# Allegro board WDMB-0007B-V02.brd (continued)
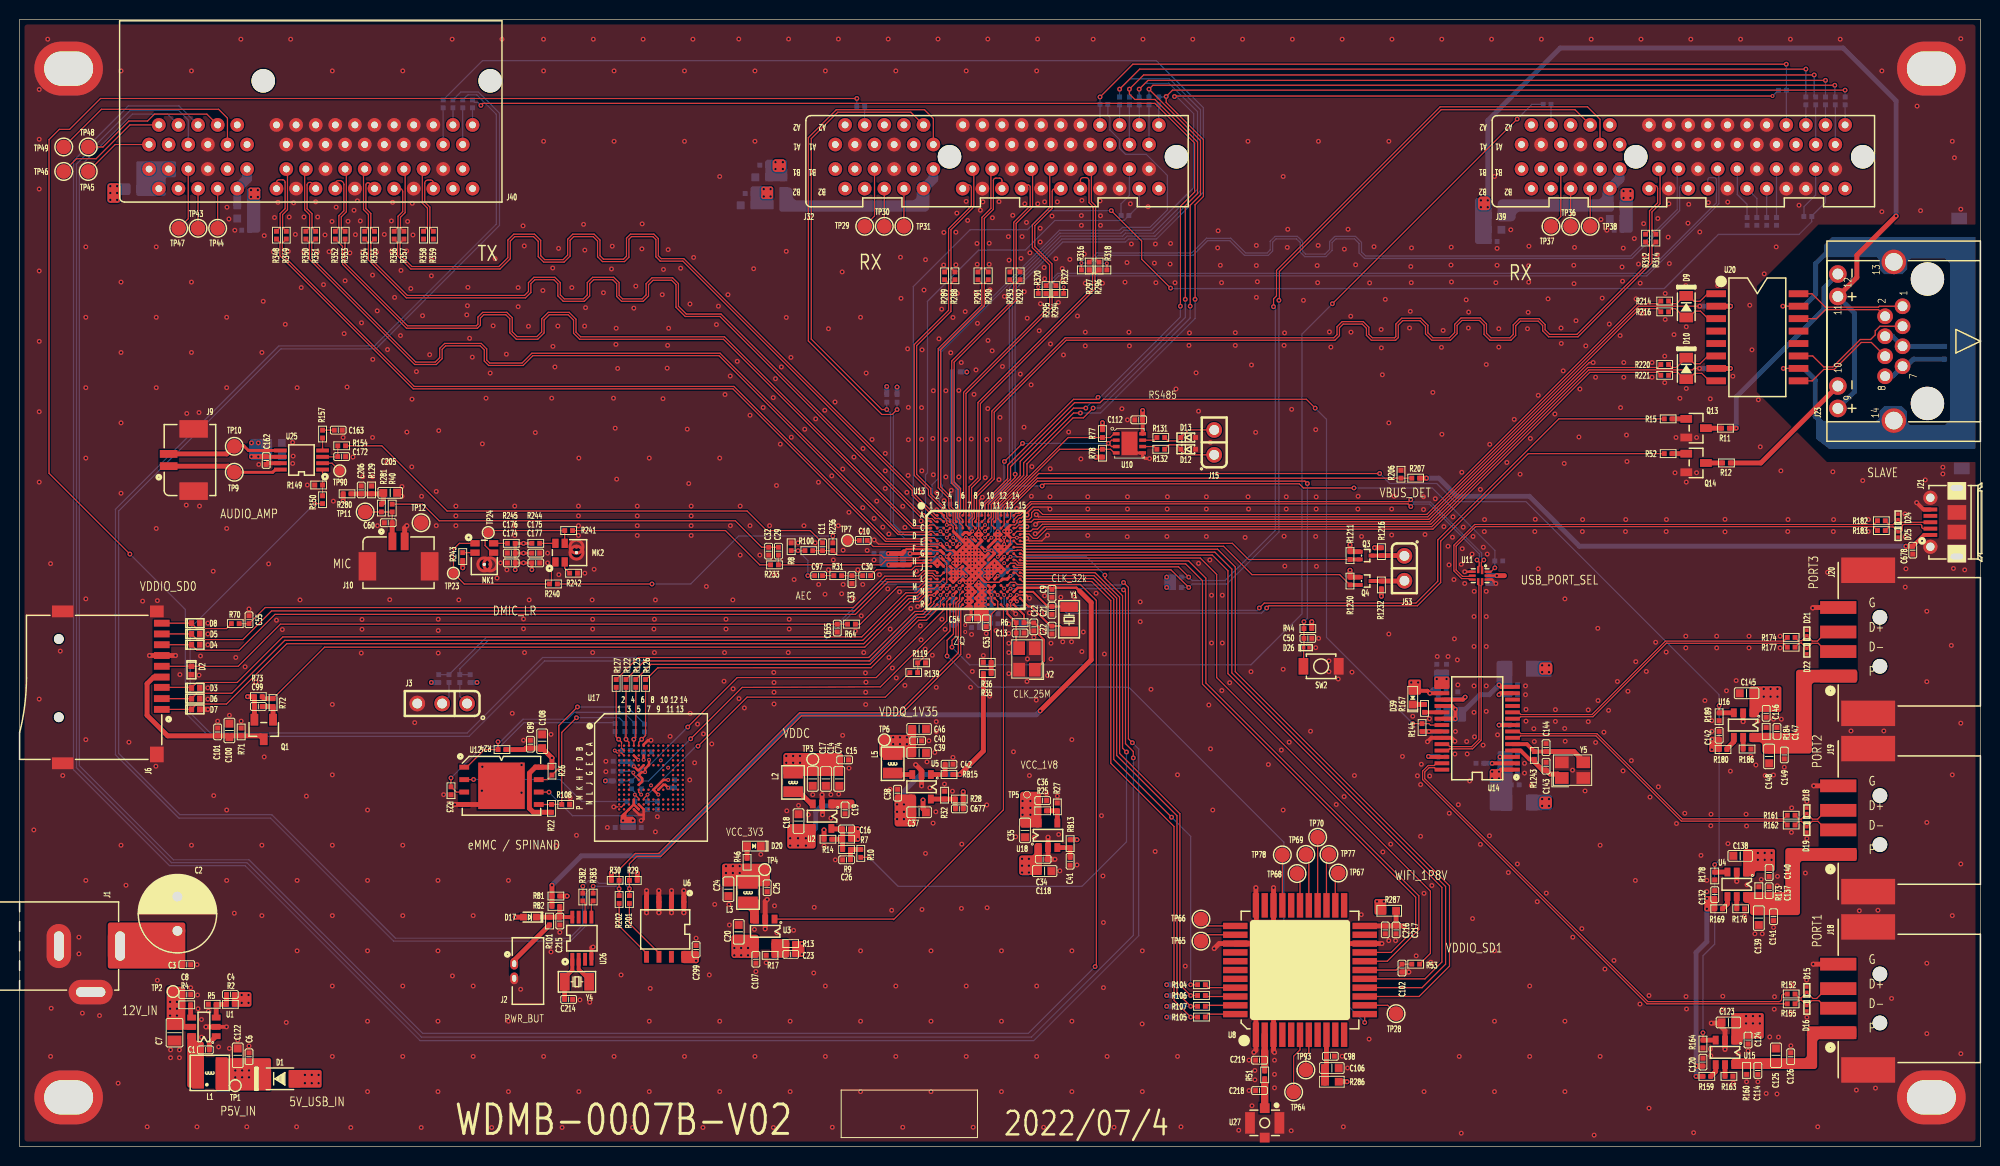
[diagram p0: board, top side]
## Routing (per net, layer and track width the routed paths; a pad name or vN(x,y) marks a point on that pad's centre or on a via; arc(x,y) is an arc through that point) (continued)
EPHY_RXP: length 73.2
  TOP w0.125: U13.D14 101.72,62.77 103.12,62.77 103.35,63 103.83,63 104.33,63.5 143.94,63.5 159.94,79.5 167.1,79.5 R220.2
EPHY_TXN: length 75.4
  TOP w0.125: U13.C14 101.61,63.1 101.94,63.43 102.26,63.43 102.55,63.73 103.17,63.73 103.45,64 143.74,64 165.24,85.5 167.07,85.5 R216.2
EPHY_TXP: length 75.3
  TOP w0.125: R214.2 167.12,86 165.03,86 143.53,64.5 104.35,64.5 103.9,64.95 103.5,64.95 103.22,64.67 103.22,64.22 102.97,63.98 102.42,63.98 102.2,63.75 U13.B15
GRN_C: length 14.2
  TOP w0.5: R12.1 177.6,69.75 J23.10
HUB_P0_D+: length 20.7
  TOP w0.125: 149.18,57.65 149.18,57.34 149.07,57.24 149.07,41.45 148.2,40.58 145.85,40.58 145.68,40.4 U14.25
HUB_P0_D-: length 20.3
  TOP w0.125: U11.6 148.78,57.34 148.85,57.26 148.85,41.54 148.11,40.8 145.88,40.8 145.62,41.05 U14.24
HUB_P1_D+: length 49.7
  TOP w0.125: U14.28 144.51,38.45 144.31,38.65 143.77,38.65 143.32,38.21 143.32,37.53 166.08,14.78 179.45,14.78 arc(179.64,14.86) 179.72,15.05 179.72,15.32 arc(179.79,15.48) 179.95,15.55 R152.2
HUB_P1_D-: length 49.8
  TOP w0.125: U14.27 144.51,39.1 144.29,38.88 143.68,38.88 143.1,38.3 143.1,37.44 165.99,14.55 R155.2
HUB_P2_D+: length 31.9
  TOP w0.125: U14.7 152.9,42.35 153.12,42.12 160.88,42.12 169.59,33.42 179.93,33.42 R161.2
HUB_P2_D-: length 31.9
  TOP w0.125: R162.2 179.9,33.2 169.5,33.2 160.79,41.9 153.1,41.9 152.9,41.7 U14.6
HUB_P3_D+: length 31.4
  TOP w0.125: R174.2 179.93,51.58 167.88,51.58 160.39,44.08 153.12,44.08 152.9,44.3 U14.10
HUB_P3_D-: length 31.4
  TOP w0.125: U14.9 152.9,43.65 153.1,43.85 160.48,43.85 160.62,43.99 167.97,51.35 179.9,51.35 R177.2
HUB_RESET: length 80.5
  TOP w0.125: v2(132.15,75.35) 131.25,76.25 110.55,76.25 110.2,75.9 107.6,75.9 101.08,69.38 101.08,68.12 98.47,65.53 98.47,64.08 U13.B9 ; v2(142.1,43.15) R144.1 143.75,43.15 143.9,43 U14.21
  BOTTOM w0.125: v2(142.1,43.15) 133.3,51.95 133.3,74.2 v2(132.15,75.35)
HUB_X1: length 6.3
  TOP w0.4: R1243.1 154,39.5 153.1,40.4 U14.4
  TOP w0.5: R1243.1 154.5,39.25 155.35,38.4 C143.2 156.1,38 156.9,38 Y5.1
HUB_X2: length 8.1
  TOP w0.4: C144.1 R1243.2 153.75,41.05 U14.5
  TOP w0.5: C144.1 158.55,40.3 159.5,39.35 Y5.3
I2C2_SCL_RTC: length 1.7
  TOP w0.125: R382.2 57.67,24.82 U26.6
I2C2_SDA_RTC: length 1.7
  TOP w0.125: R383.2 58.33,24.88 U26.5
IIC0_SCL: length 209.8
  TOP w0.125: U13.R6 96,55.1 96,50.2 89.75,43.95 79.75,43.95 65.4,29.6 62.95,29.6 62.2,28.85 R29.2 v2(62.2,26.3) R201.1 ; v2(57.45,26.55) R382.1
  BOTTOM w0.125: R361.2 45,107.6 46.8,107.6 48.95,105.45 48.95,94 36.35,81.4 26.65,81.4 10.1,64.85 10.1,40.1 16.35,33.85 25.73,33.85 38.33,21.25 56.1,21.25 57.45,22.6 v2(57.45,26.55) 58,27.1 58.85,27.1 59.1,26.85 61.65,26.85 v2(62.2,26.3)
IIC0_SDA: length 208.1
  TOP w0.125: v2(58.5,26.55) R383.1 ; R202.1 v2(61.15,26.3) R30.2 61.15,28.25 62.8,29.9 65.2,29.9 79.55,44.25 89.62,44.25 95.75,50.38 95.75,55.35 96.1,55.7 96.1,55.85 U13.P6
  BOTTOM w0.125: R362.2 45.73,107.33 46.63,107.33 48.62,105.33 48.62,94.12 36.2,81.7 26.45,81.7 9.78,65.03 9.78,39.98 16.25,33.5 25.6,33.5 38.15,20.95 56.2,20.95 57.75,22.5 57.75,25.8 v2(58.5,26.55) 60.85,26.55 v2(61.15,26.3)
IIS1_BCLK: length 21.6
  TOP w0.125: R241.2 72,62.85 75.5,59.35 R233.1
IIS1_BCLK_DMIC: length 11.8
  TOP w0.125: MK2.4 R241.1 48,62.85 TP24.1 47.48,62.33 47.48,61.33 48.2,60.6 MK1.4
IIS1_DI: length 30.8
  TOP w0.125: v2(64.5,57.4) R240.2 ; R236.1 v2(82.95,62.3)
  BOTTOM w0.125: v2(82.95,62.3) 73.35,62.3 68.45,57.4 v2(64.5,57.4)
IIS1_SDI_DMIC: length 17.7
  TOP w0.125: MK1.1 44.85,61.55 44.25,60.95 TP23.1 45.35,57.4 R240.1 54.25,57.6 54.25,59.1 54.65,59.5 MK2.1
IR_I2C2_SCL: length 100.8
  TOP w0.125: v2(127.9,85.7) 127.9,86.5 128.2,86.8 128.2,89.4 144.9,106.1 159.93,106.1 161.2,104.83 J39.A9 ; v2(119.25,58.1) 119.25,58.11 118.21,59.15 102.65,59.15 102.49,59.31 101.76,59.31 101.55,59.52 101.08,59.52 U13.J13
  BOTTOM w0.125: v2(127.9,85.7) 128.07,85.53 128.07,62.88 122.95,57.75 119.6,57.75 v2(119.25,58.1) R34.2
IR_I2C2_SDA: length 96.9
  TOP w0.125: v2(119.25,57.05) 117.43,58.85 102.6,58.85 102.36,59.09 101.51,59.09 U13.J14 ; J39.A8 158.65,105.8 145,105.8 128.5,89.3 128.5,86.35 v2(128.45,86.35)
  BOTTOM w0.125: v2(128.45,86.35) 128.45,62.7 123.15,57.4 119.6,57.4 v2(119.25,57.05) R18.2
IR_MCLK1: length 133.6
  TOP w0.125: v2(117.4,87.6) 114.45,90.55 114.45,92.4 v2(111.35,95.5) ; v1(93.92,62.77) U13.D3
  BOTTOM w0.125: v2(111.35,95.5) 104.75,95.5 102.8,93.55 96.95,93.55 91.15,87.75 91.15,63.8 91.65,63.3 92.45,63.3 93,62.77 v1(93.92,62.77) ; v2(117.4,87.6) 117.45,87.55 167.75,87.55 173.28,93.08 181.5,93.08 182.8,94.38 R690.1 182.85,95.01 184.2,96.36 J39.B30
IR_RST1: length 126.3
  TOP w0.125: v2(117.8,107.15) 117.85,107.2 v1(178.8,107.2) ; v1(95.22,61.48) U13.E4
  BOTTOM w0.125: R331.2 v1(178.8,107.2) ; v2(117.8,107.15) 118,107.15 119.75,105.4 119.75,97.85 115.4,93.5 112.65,93.5 112.35,93.2 106.1,93.2 94,81.1 94,67.6 94.1,67.5 94.1,66.4 93.8,66.1 93.8,65.5 94.05,65.25 94.05,64.3 94.25,64.1 94.9,64.1 95.6,63.4 95.6,61.85 v1(95.22,61.48)
IR_RX1_0N: length 27.9
  TOP w0.125: R294.2 105.31,86.66 105.31,85.63 96.53,76.85 96.53,63.42 U13.C7
IR_RX1_0P: length 26.5
  TOP w0.125: 104.72,87.03 105.06,86.69 105.06,85.73 96.28,76.95 96.28,64.48 U13.A6
  TOP w0.175: 104.72,87.03 R320.2
IR_RX1_1N: length 31.2
  TOP w0.125: U13.B7 96.85,63.96 97.16,64.27 97.16,64.53 97.1,64.59 97.1,67.22 98,68.12 98,75.81 109.69,87.5 109.69,89.04 R318.2
IR_RX1_1P: length 30.4
  TOP w0.125: U13.A7 96.85,67.32 97.75,68.22 97.75,75.92 109.44,87.6 109.44,89.11 R297.2
IR_RX1_2N: length 97.7
  TOP w0.125: R314.2 166.5,91.9 166.5,90.17 158.95,82.62 155.96,82.62 155.35,83.24 155.35,83.77 154.9,84.22 153.08,84.22 152.6,83.74 152.6,82.76 152.11,82.28 149.97,82.28 149.38,82.88 149.38,83.82 148.9,84.3 147.13,84.3 146.62,83.8 146.62,82.95 145.94,82.28 144.05,82.28 143.4,82.92 143.4,83.7 142.82,84.28 141.08,84.28 140.62,83.82 140.62,82.55 140.35,82.28 137.88,82.28 137.38,82.78 137.38,83.5 136.95,83.92 135,83.92 134.62,83.55 134.62,82.75 134.16,82.28 106.75,82.28 99.41,74.94 99.41,68.12 97.61,66.32 97.61,63.99 97.5,63.87 U13.B8
IR_RX1_2P: length 98.6
  TOP w0.125: U13.C8 97.18,63.42 97.18,63.93 97.39,64.14 97.39,64.63 97.36,64.65 97.36,66.42 99.16,68.22 99.16,75.04 106.65,82.53 134.05,82.53 134.38,82.85 134.38,83.65 134.9,84.17 137.05,84.17 137.62,83.6 137.62,82.88 137.98,82.53 140.25,82.53 140.38,82.65 140.38,83.93 140.97,84.53 142.93,84.53 143.65,83.8 143.65,83.03 144.15,82.53 145.84,82.53 146.38,83.06 146.38,83.9 147.02,84.55 149,84.55 149.62,83.92 149.62,82.98 150.08,82.53 152.01,82.53 152.35,82.86 152.35,83.84 152.98,84.47 155,84.47 155.6,83.88 155.6,83.34 156.07,82.88 158.85,82.88 166.25,90.28 166.25,91.9 R312.2
IRLED_PWM: length 107.6
  TOP w0.125: v2(95.1,50.95) 95.1,51.65 95.5,52.05 95.5,55.45 95.88,55.83 95.88,56.27 U13.N6 ; v2(152.75,104.85) v2(133.9,86)
  BOTTOM w0.125: R307.1 154.25,106.35 v2(152.75,104.85) ; v2(95.1,50.95) 96.9,49.15 125.6,49.15 130.8,54.35 130.8,82.9 v2(133.9,86)
LCD_PWM: length 239
  TOP w0.125: U13.M13 101.08,57.58 101.55,57.58 101.78,57.35 108.2,57.35 109.83,55.73 109.83,18.48 v2(109.7,18.35)
  BOTTOM w0.125: v2(109.7,18.35) 102.9,11.55 41.1,11.55 23.4,29.25 15.7,29.25 6.1,38.85 6.1,99.95 11.5,105.35 15.1,105.35 J40.A4
LCD_PWR_CT: length 249.4
  TOP w0.125: v2(112.6,56.8) 112.8,56.6 112.8,41.1 113.6,40.3 v2(113.6,39.65) ; v1(101.08,56.92) U13.N13
  BOTTOM w0.125: v1(101.08,56.92) 112.47,56.92 v2(112.6,56.8) ; v2(113.6,39.65) 113.6,21.55 103.2,11.15 41,11.15 23.2,28.95 15.5,28.95 5.8,38.65 5.8,100.25 11.3,105.75 16.2,105.75 17.2,104.75 J40.A5
LCD_RST: length 252.1
  TOP w0.125: v1(100.42,56.92) U13.M12 ; v2(112.6,57.55) 113.1,57.05 113.1,41.6 v2(113.5,41.2)
  BOTTOM w0.125: v2(113.5,41.2) 114.15,40.55 114.15,21.5 103.45,10.8 40.85,10.8 23,28.65 15.3,28.65 5.5,38.45 5.5,100.6 11.1,106.2 16.25,106.2 J40.A6 ; v1(100.42,56.92) 100.8,57.3 112.35,57.3 v2(112.6,57.55)
M_P1_D+: length 49.1
  TOP w0.125: 148.18,57.85 147.9,57.85 147.8,57.95 147.09,57.95 146.3,58.74 146.3,61.36 148.42,63.48 189.12,63.48 R182.2
M_P1_D-: length 48.4
  TOP w0.125: 148.18,58.25 147.9,58.25 147.82,58.17 147.18,58.17 146.53,58.83 146.53,61.27 148.51,63.25 189.1,63.25 R183.2
MEMS_MIC1_VDD: length 4.6
  TOP w0.5: R281.1 37.1,65.75 C205.2 36.85,66.7 36.75,66.6 R129.2 C206.2 R280.1
MIC1_OUTPUT: length 5.8
  TOP w0.125: TP11.1 R281.2 R40.1 C60.2
  TOP w0.5: J10.1 38,61.75 C60.2
MIC_IN_L: length 41.2
  TOP w0.125: R40.2 41.1,65.55 42.8,63.85 73,63.85 75.7,61.15 C32.2 C29.1
MIC_IN_R: length 2.2
  TOP w0.125: R31.2 C33.1 C30.1
MIPI_TX_0N: length 80.8
  TOP w0.125: R349.1 26.8,92.2 26.8,91.02 40.25,77.56 72.86,77.56 88.42,62 92.11,62 92.23,62.12 93.28,62.12 U13.E2
MIPI_TX_0P: length 80.4
  TOP w0.125: U13.E1 92.88,61.88 92.34,61.88 92.21,61.75 88.32,61.75 72.76,77.31 40.15,77.31 26.55,90.91 26.55,92.25 R348.1
MIPI_TX_1N: length 81.3
  TOP w0.125: U13.D2 93.42,62.45 93.11,62.76 92.81,62.76 92.75,62.7 89.7,62.7 71.45,80.95 52.25,80.95 51.25,79.95 47.95,79.95 47.65,80.25 47.65,81.39 47.09,81.95 43.35,81.95 42.85,81.45 42.85,80.5 42.4,80.05 40.4,80.05 29.8,90.65 29.8,92.2 R351.1
MIPI_TX_1P: length 80.9
  TOP w0.125: R350.1 29.55,92.25 29.55,90.55 40.3,79.8 42.5,79.8 43.1,80.4 43.1,81.35 43.45,81.7 46.99,81.7 47.4,81.29 47.4,80.15 47.85,79.7 51.35,79.7 52.35,80.7 71.34,80.7 89.59,62.45 U13.D1
MIPI_TX_2N: length 80.2
  TOP w0.125: U13.C2 93.28,63.42 92.83,63.42 92.75,63.35 91.17,63.35 71.9,82.62 57.22,82.62 56.75,83.1 56.75,84.42 56.05,85.12 53.92,85.12 53.25,84.46 53.25,83.13 52.77,82.65 50.75,82.65 50.25,83.15 50.25,84.57 49.7,85.12 47.23,85.12 46.75,84.64 46.75,83.91 46.59,83.75 39.57,83.75 33.19,90.13 33.19,92.6 R353.1
MIPI_TX_2P: length 80.1
  TOP w0.125: U13.C1 91.07,63.1 71.79,82.38 57.12,82.38 56.5,83 56.5,84.32 55.95,84.88 54.02,84.88 53.5,84.35 53.5,83.03 52.85,82.38 50.67,82.38 50,83.04 50,84.47 49.59,84.88 47.34,84.88 47,84.54 47,83.81 46.69,83.5 39.46,83.5 32.94,90.03 32.94,91.86 R352.1
MIPI_TX_3N: length 81
  TOP w0.125: R355.1 35.83,92.22 35.83,90.58 39.55,86.85 51.5,86.85 51.9,87.25 51.9,88.15 52.45,88.7 54.6,88.7 55.15,88.15 55.15,86.9 55.55,86.5 57.5,86.5 57.9,86.9 57.9,88.15 58.45,88.7 60.6,88.7 61.15,88.15 61.15,86.85 61.5,86.5 63.5,86.5 63.9,86.9 63.9,88.04 64.51,88.65 66.6,88.65 67.2,88.05 67.2,85.75 68,84.95 71.54,84.95 91.92,64.58 92.25,64.58 92.75,64.08 93.08,64.08 93.4,63.75 U13.B2
MIPI_TX_3P: length 80.6
  TOP w0.125: R354.1 35.58,92.22 35.58,90.47 39.45,86.6 51.6,86.6 52.15,87.15 52.15,88.05 52.55,88.45 54.5,88.45 54.9,88.05 54.9,86.8 55.45,86.25 57.6,86.25 58.15,86.8 58.15,88.05 58.55,88.45 60.5,88.45 60.9,88.05 60.9,86.75 61.4,86.25 63.6,86.25 64.15,86.8 64.15,87.94 64.61,88.4 66.5,88.4 66.95,87.95 66.95,85.65 67.9,84.7 71.44,84.7 91.81,64.33 92.15,64.33 92.65,63.83 92.88,63.83 U13.B1
MIPI_TX_4N: length 80.8
  TOP w0.125: U13.A2 93.45,64.4 91.3,66.55 91.3,67.05 67.75,90.6 65.44,90.6 65.15,90.89 65.15,92.65 64.7,93.1 62.31,93.1 61.9,92.69 61.9,90.85 61.6,90.55 59.55,90.55 59.2,90.9 59.2,92.5 58.6,93.1 56.42,93.1 55.9,92.58 55.9,90.97 55.43,90.5 53.56,90.5 53.15,90.91 53.15,92.47 52.52,93.1 50.4,93.1 49.8,92.5 49.8,90.7 48.9,89.8 40.01,89.8 38.8,91.01 38.8,92.2 R357.1
MIPI_TX_4P: length 82
  TOP w0.125: R356.1 38.55,92.25 38.55,90.91 39.91,89.55 49,89.55 50.05,90.6 50.05,92.39 50.51,92.85 52.42,92.85 52.9,92.37 52.9,90.8 53.45,90.25 55.54,90.25 56.15,90.86 56.15,92.48 56.52,92.85 58.5,92.85 58.95,92.4 58.95,90.8 59.45,90.3 61.7,90.3 62.15,90.75 62.15,92.59 62.41,92.85 64.6,92.85 64.9,92.55 64.9,90.79 65.34,90.35 67.65,90.35 91.05,66.95 91.05,66.45 93.35,64.15 93.35,64.15 93.42,64.08 93.92,64.08 U13.B3
MIPI_TX_M0: length 6.9
  TOP w0.125: R349.2 26.82,93.78 26.82,95.1 27.32,95.6 27.32,99.79 J40.B13
MIPI_TX_M1: length 6.5
  TOP w0.125: R351.2 29.82,93.78 29.82,95.19 29.32,95.69 29.32,98.12 arc(29.49,98.37) 29.78,98.32 30.2,97.9 J40.B16
MIPI_TX_M2: length 6.8
  TOP w0.125: J40.B19 33.33,99.75 33.33,95.38 32.81,94.87 32.81,93.79 R353.2
MIPI_TX_M3: length 6.4
  TOP w0.125: J40.B22 36.2,97.8 35.72,98.28 arc(35.64,98.33) 35.55,98.35 35.52,98.35 arc(35.38,98.29) 35.33,98.15 35.33,95.71 35.83,95.21 35.83,93.78 R355.2
MIPI_TX_M4: length 6.7
  TOP w0.125: R357.2 38.85,93.75 38.85,94.83 39.33,95.3 39.33,99.62 J40.B25
MIPI_TX_P0: length 7.2
  TOP w0.125: R348.2 26.57,93.78 26.57,95.2 27.07,95.7 27.07,98.4 arc(27,98.58) 26.82,98.65 26.45,98.65 arc(26.28,98.58) 26.21,98.41 26.21,97.74 J40.B12
MIPI_TX_P1: length 6.8
  TOP w0.125: R350.2 29.57,93.78 29.57,95.09 29.07,95.59 29.07,99.75 J40.B15
MIPI_TX_P2: length 6.9
  TOP w0.125: J40.B18 32.2,98.24 arc(32.3,98.47) 32.53,98.57 32.67,98.57 arc(32.96,98.45) 33.08,98.16 33.08,95.49 32.56,94.97 32.56,93.76 R352.2
MIPI_TX_P3: length 6.8
  TOP w0.125: R354.2 35.58,93.78 35.58,95.11 35.08,95.61 35.08,99.62 J40.B21
MIPI_TX_P4: length 5.5
  TOP w0.125: R356.2 38.6,93.8 38.6,94.93 39.08,95.41 39.08,97.42 arc(38.97,97.69) 38.7,97.8 38.2,97.8 J40.B24
PWM0_BUCK: length 69.2
  TOP w0.125: v2(112.9,40.25) 112.5,40.65 112.5,56.2 110.7,58 v2(110.7,58.3) ; v1(101.08,60.17) U13.H13 ; R10.1 v2(86.65,29.5)
  BOTTOM w0.125: v1(101.08,60.17) 108.83,60.17 v2(110.7,58.3) ; v2(86.65,29.5) 89.6,26.55 108.38,26.55 112.9,31.07 v2(112.9,40.25)
PWR_SEQ2: length 49.1
  TOP w0.125: U13.R12 100.35,55.05 100.35,34.35 89.15,23.15 89.1,23.2 U3.1
PWR_VBAT_DET: length 8.1
  TOP w0.125: R36.2 99.1,54.3 99.78,54.98 99.78,55.62 U13.P11
  TOP w0.5: R36.2 R35.1
RGB_I2C3_SCL: length 69.1
  TOP w0.125: v2(89.5,75.2) 89,74.7 87.95,74.7 80.45,82.2 80.45,102.95 83.3,105.8 92.3,105.8 93.2,104.9 J32.A11 ; v1(94.58,62.12) U13.D4
  BOTTOM w0.125: v1(94.58,62.12) 94.35,62.35 90.32,62.35 89.12,63.54 89.12,74.83 v2(89.5,75.2) R19.2
RGB_I2C3_SDA: length 63.9
  TOP w0.125: v1(94.58,61.48) U13.F4 ; J32.A10 90.9,105.55 83.45,105.55 80.75,102.85 80.75,82.39 87.94,75.2 v2(88.45,75.2)
  BOTTOM w0.125: v1(94.58,61.48) 93.99,62.06 90.25,62.06 88.84,63.48 88.84,74.81 v2(88.45,75.2) R37.2
RGB_MCLK0: length 52.6
  TOP w0.125: v1(94.58,62.77) U13.C4
  BOTTOM w0.125: J32.B30 114.2,96.05 R691.1 112.65,94.5 105.6,94.5 102.58,91.47 97.83,91.47 92.6,86.25 92.6,68.75 92.4,68.55 92.4,64.35 93.55,63.2 94.15,63.2 v1(94.58,62.77)
RGB_RST0: length 64.9
  TOP w0.125: v1(95.22,62.12) U13.E5
  BOTTOM w0.125: v1(95.22,62.12) 95.22,63.36 94.73,63.85 94.02,63.85 93.08,64.8 93.08,67.53 93.7,68.15 93.7,81.15 106.05,93.5 112.2,93.5 112.5,93.8 115.3,93.8 117.08,95.58 117.08,99.09 114.92,101.25 112.8,101.25 112.2,101.85 112.2,102.75 111.2,103.75 111.2,105.05 111,105.25 R298.2
RGB_RX0_0N: length 27.1
  TOP w0.125: R288.2 95,88.05 95,85.23 91.5,81.73 91.5,68.59 92.95,67.14 92.95,66.59 94.81,64.73 94.81,64.49 U13.A4
RGB_RX0_0P: length 27.8
  TOP w0.125: R289.2 94.75,88.05 94.75,85.33 91.25,81.83 91.25,68.49 92.7,67.04 92.7,66.48 94.56,64.62 94.56,64.27 94.9,63.94 U13.B4
RGB_RX0_1N: length 27.4
  TOP w0.125: R290.2 98.4,88.05 98.4,85.76 93.95,81.31 93.95,67.32 95.03,66.24 95.03,65.29 95.44,64.88 95.44,63.86 U13.B5
RGB_RX0_1P: length 28.1
  TOP w0.125: U13.C5 95.55,63.3 95.21,63.64 95.21,64.75 94.78,65.18 94.78,66.14 93.7,67.21 93.7,81.41 98.15,85.86 98.15,88.05 R291.2
RGB_RX0_2N: length 27.9
  TOP w0.125: U13.B6 96.2,63.95 95.89,64.27 95.89,64.59 95.97,64.68 95.97,67.15 95.33,67.8 95.33,80.05 101.65,86.37 101.65,88.05 R292.2
RGB_RX0_2P: length 28.7
  TOP w0.125: R293.2 101.4,88.05 101.4,86.47 95.08,80.15 95.08,67.7 95.72,67.05 95.72,64.78 95.66,64.72 95.66,64.14 95.88,63.92 95.88,63.62 96.2,63.3 U13.C6
RS485_RE_DE: length 21
  TOP w0.125: U10.2 111.38,72.08 v2(111.05,71.75) 111.38,71.42 U10.3 ; v2(102.3,71.75) v2(100.45,69.9) ; v1(98.47,63.42) U13.C9
  BOTTOM w0.125: v1(98.47,63.42) 98.47,65.78 100.4,67.7 100.4,69.85 v2(100.45,69.9) ; v2(111.05,71.75) v2(102.3,71.75)
RS485_UART2_RX: length 16.8
  TOP w0.125: U13.B12 99.79,64.06 99.79,65.19 106.95,72.35 R77.2 111.25,72.35 111.62,72.72 U10.1
RS485_UART2_TX: length 15.2
  TOP w0.125: U10.4 111.65,70.78 111.28,71.15 R78.2 106.08,71.15 100.1,65.17 U13.A12
RS485DN: length 1.6
  TOP w0.125: R132.1 115.72,71.42 U10.6
RS485DN_1: length 5.7
  TOP w0.125: R132.2 117.25,71.6 118,71.6 D12.N 119.02,70.58 J15.1
RS485DP: length 1.6
  TOP w0.125: U10.7 115.72,72.08 R131.2
RS485DP_1: length 5.7
  TOP w0.125: J15.2 119.22,73.12 D13.N 118.1,72 117.15,72 R131.1
RTC_XIN: length 5.6
  TOP w0.2: U13.N15 103.38,56.6 104.88,55.1 C21.1 106.94,55.1 106.99,55.05
  TOP w0.5: Y1.2 106.99,55.05
RTC_XOUT: length 6.4
  TOP w0.2: 106.65,52.58 106.13,53.1 C22.1 105.26,53.14 105.14,53.14 103.17,55.1 102.9,55.1 U13.P15
  TOP w0.5: Y1.1 106.65,52.58
RX_D+: length 13
  TOP w0.125: U20.11 182.9,80.67 184.03,79.55 184.95,79.55 187.75,82.35 188.8,82.35 189.28,82.83 189.28,83.23 189.75,83.7 J23.3
RX_D-: length 11
  TOP w0.125: U20.9 182.85,78.13 184.03,79.3 185.1,79.3 187.85,82.05 188.88,82.05 J23.6
SD1_CLK: length 5
  TOP w0.125: U8.17 140.4,18 C102.1 R53.1
SD_PWR_3V3: length 18
  TOP w0.5: Q1.D 24.55,41.9 R71.2 21.62,41.9 21.49,41.77 C100.1 21.25,41.9 C101.1 15.1,41.9 13,44 13,47.23 13.68,47.9 J6.4
SD_PWR_EN: length 72.8
  TOP w0.125: U13.N1 92.72,56.6 91.72,55.6 90.85,55.6 86.2,50.95 31.1,50.95 R72.1
  TOP w0.5: R73.2 24.95,45.7 R72.1
SD_SD0_CD: length 73.5
  TOP w0.125: R70.2 C55.1 25.05,55 85.05,55 88.25,58.2 91.7,58.2 92.25,58.75 93.4,58.75 U13.K2
SD_SD0_CLK: length 9.6
  TOP w0.125: R64.2 85.75,53.3 89.55,57.1 91.72,57.1 92.53,57.9 U13.L1
SD_SD0_CMD: length 84.4
  TOP w0.125: U13.L3 94.2,57.9 93.88,57.58 92.58,57.58 91.5,56.5 90.4,56.5 85.9,52 26.85,52 22.2,47.35 18.07,47.35 D3.N 17.48,46.85 J6.3
SD_SD0_D0: length 82.6
  TOP w0.125: U13.L2 93.4,57.9 93.05,58.25 92.5,58.25 91.85,57.6 88.55,57.6 85.25,54.3 26.05,54.3 22.4,50.65 18.07,50.65 D4.N J6.7
SD_SD0_D1: length 83
  TOP w0.125: U13.K3 93.92,58.23 93.42,58.23 93.15,58.5 92.38,58.5 91.78,57.9 88.4,57.9 85.15,54.65 25.7,54.65 22.77,51.73 18.1,51.73 D5.N J6.8
SD_SD0_D2: length 84.3
  TOP w0.125: J6.1 D7.N 18.07,45.15 21.1,45.15 27.25,51.3 86.1,51.3 90.7,55.9 91.65,55.9 92.67,56.92 93.28,56.92 U13.M2
SD_SD0_D3: length 83.2
  TOP w0.125: U13.M1 92.62,57.25 91.58,56.2 90.55,56.2 86,51.65 27.05,51.65 21.65,46.25 18.07,46.25 D6.N J6.2
SDIO_CD_1: length 7.5
  TOP w0.125: R70.1 21.1,52.85 18.07,52.85 D8.N J6.9
SDIO_CLK_1: length 71.7
  TOP w0.125: J6.5 D2.N 22.3,49 26.6,53.3 C655.2 R64.1
SPI_VCC: length 143.6
  TOP w0.125: 23.95,45.85 R73.1 ; U13.M3 94.58,57.58 94.58,59.52 U13.H3
  TOP w0.15: v1(98.47,60.83) v1(99.12,60.83)
  TOP w0.25: v1(62.65,38.8) 63.05,38.4 U17.F5 U17.E6 ; U17.K9 U17.J10 65.85,36.9 v1(66.15,36.6)
  TOP w0.3: U13.F9 v1(98.47,60.83) ; v1(93.92,56.92) U13.M3 ; U13.H3 v1(93.92,60.17) ; v1(99.12,60.83) U13.G11 U13.H10
  TOP w0.5: v2(110.45,73.85) R77.1 ; C24.1 72.35,27 76.05,27 C25.1 76.25,28.05 TP4.1 ; v2(69,18.95) C299.1 67.75,19.7 67.75,19.35 U6.8 ; v2(191.4,94.95) 187.4,90.95 187.4,88.69 J23.11 ; R24.1 51.5,40.5 51.65,40.65 C89.1 C108.1 v2(54.3,39.65) R26.1 54.3,38.7 U12.8 52.6,38.7 52,38.1 52,34.5 52.4,34.1 R22.1 ; v2(33,65.85) R280.2 ; R13.1 v2(79.8,20.7) ; 23.95,45.85 C99.1 Q1.S ; v2(63,27.9) R29.1 ; v2(109.75,70.35) R78.1 ; R30.1 v2(60.35,27.9) ; v2(135.4,6.6) R286.1 ; v2(79.8,19.6) C23.2 ; v2(50.55,23.4) D17.P ; R73.1 v2(23.25,45.9)
  BOTTOM w0.3: 98.5,60.83 98.47,60.85 v1(98.47,60.83)
  BOTTOM w0.4: 98.5,60.83 v1(99.12,60.83) 99.72,60.83 C57.1 100.7,60.75 100.8,60.85 C64.1 ; C45.1 92.67,56.92 v1(93.92,56.92) ; v1(93.92,60.17) 93.75,60 93.45,60 C56.1
  BOTTOM w0.5: C44.1 C45.1 ; J23.9 187.15,77 187.15,85.06 J23.11 ; C61.1 62.15,39.3 v1(62.65,38.8) ; v2(46.65,47.35) R38.1 ; v2(149.75,96.55) 149.75,104.7 157.15,112.1 186,112.1 191.4,106.7 v2(191.4,94.95) ; v1(66.15,36.6) C43.1 ; R54.1 v2(42,47.35) ; R116.1 v2(59.75,37.3) ; v2(79.8,20.7) v2(79.8,19.6)
  vias: v2(72.05,28.6) v2(72.05,27.9) v2(72.75,28.6) v2(72.75,27.9) v2(73.45,28.6) v2(73.45,27.9) v2(75.9,97.7) v2(75.9,96.95) v2(76.6,97.7) v2(76.6,96.95) v2(149.05,96.55) v2(149.05,95.85) v2(149.75,95.85) v2(155.3,35.45) v2(155.3,34.75) v2(156,35.45) v2(156,34.75)
SPINAND_CS_X: length 20.7
  TOP w0.125: 48.84,40.5 47.4,40.5 45.6,38.7 U12.1 ; 48.84,40.5 48.8,40.64 v2(48.8,41.3) ; 48.84,40.5 R24.2
  BOTTOM w0.125: v2(48.8,41.3) 49.05,41.3 51.35,43.6 55.88,43.6 56.58,44.3 61.6,44.3 R39.1
SPINAND_HOLD_X: length 17.1
  TOP w0.125: v2(56.9,44.85) 55,42.95 55,38.6 R26.2 53.84,37.44 52.95,37.44
  BOTTOM w0.125: R118.1 62,44.85 v2(56.9,44.85)
SPINAND_MISO: length 17.5
  TOP w0.125: 45.35,37.44 46.28,37.44 v2(46.3,37.45)
  BOTTOM w0.125: R49.1 57.35,35.2 55.1,37.45 v2(46.3,37.45)
SPINAND_MOSI: length 17
  TOP w0.125: v2(56.8,43.75) 55.3,42.25 R108.1 R22.2 54.24,34.9 52.95,34.9
  BOTTOM w0.125: R3.1 61.15,43.75 v2(56.8,43.75)
SPINAND_SCK: length 12.4
  TOP w0.125: v2(54,36.15) 53.98,36.16 U12.6
  BOTTOM w0.125: R128.1 63.4,33.75 56.4,33.75 v2(54,36.15)
SPINAND_WP_X: length 21.6
  TOP w0.125: U12.3 44.55,36.16 44.02,36.7 R23.1 v2(44,37.6)
  BOTTOM w0.125: v2(44,37.6) 47.2,40.8 49,40.8 51.45,43.25 60.65,43.25 R121.1
SPK_EN: length 111.4
  TOP w0.125: R150.1 v2(30.1,65.6) ; v1(93.92,56.27) U13.N3
  BOTTOM w0.125: v2(30.1,65.6) 17.4,52.9 17.4,44.25 19.45,42.2 45.65,42.2 53.35,49.9 86.65,49.9 91.35,54.6 92.78,54.6 93.92,55.75 v1(93.92,56.27)
SYS_XTAL_IN: length 4.9
  TOP w0.2: U13.R13 100.75,54.35 R6.1 C13.1 101.65,51.15 Y2.3
SYS_XTAL_OUT: length 9
  TOP w0.2: Y2.1 104.5,49.55 104.5,51.7 104,52.2 104,52.95 103.53,53.42 C12.1 103.42,53.45 R6.2 102.45,54.25 U13.R14
TP_INT: length 124.1
  TOP w0.125: v2(110,76.45) 109.8,76.25 107.5,76.25 100.78,69.53 100.78,68.15 98.15,65.53 U13.A9 ; v2(118.4,85.75) 118.4,95.95 119.85,97.4 119.85,102.4 115.8,106.45 47.25,106.45 v2(47.05,106.25)
  BOTTOM w0.125: v2(47.05,106.25) 46.75,106.55 46.45,106.55 R363.2 ; v2(110,76.45) 110.2,76.45 118.4,84.65 v2(118.4,85.75)
TP_RST: length 137.3
  TOP w0.125: v2(101.55,68.6) 101.55,68.28 98.8,65.53 U13.A10
  BOTTOM w0.125: R360.2 47.2,110.8 115.95,110.8 120.75,106 120.75,97.4 115.95,92.6 113.1,92.6 112.8,92.3 106.4,92.3 101.55,87.45 v2(101.55,68.6)
TX_D+: length 11.2
  TOP w0.125: J23.1 189.7,85.75 189.6,85.65 184.2,85.65 182.83,87.02 U20.16
TX_D-: length 9.5
  TOP w0.125: U20.14 183.28,84.48 184.2,85.4 189.6,85.4 J23.2
UART0_RX: length 55.6
  TOP w0.125: v1(94.58,56.92) U13.M4
  BOTTOM w0.125: v1(94.58,56.92) 94.53,56.92 94.05,57.4 87.9,57.4 82.15,51.65 47.8,51.65 44.9,48.75 R33.2 R38.2
UART0_TX: length 57.2
  TOP w0.125: U13.M5 v1(95.22,56.92)
  BOTTOM w0.125: v1(95.22,56.92) 94.8,57.35 94.5,57.35 94.2,57.65 87.75,57.65 82.05,51.95 47.6,51.95 R16.2 R54.2